# Altium PCB PCB1.PcbDoc (continued)
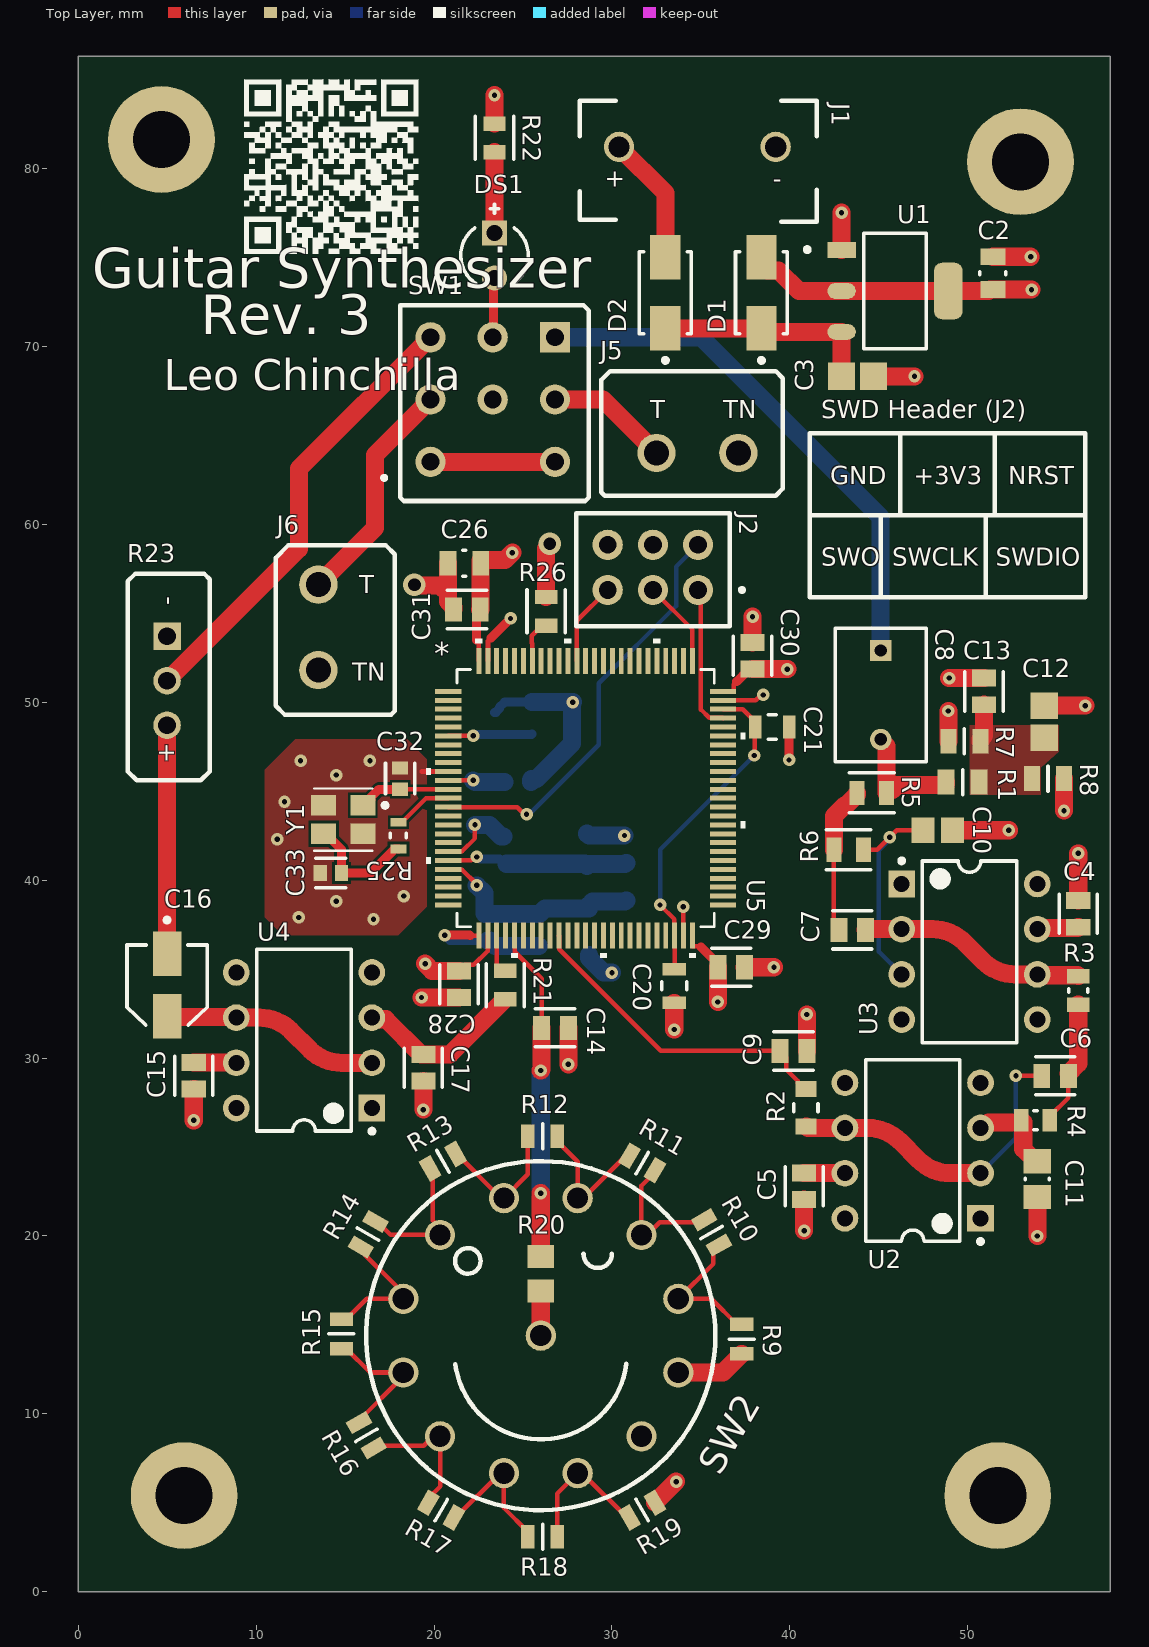
[diagram p0: Top Layer view]
## Components (designator, comment, footprint, x,y, rotation, side; value= is the part's Value field where it differs from the comment) (continued)
U1 "LDL1117S33R" FP-SOT223-0046067-IPC_C 45.9,73.1 r0 top
U2 "OPA340PA" P0008A 46.9,24.8 r180 top
U3 "OPA340PA" P0008A 50.09,35.97 r0 top
U4 "OPA340PA" P0008A 12.7,31 r180 top
U5 "STM32H723VET6" LQFP100_STM 28.522,44.6 r0 top locked
Y1 "25 MHz" ABM8W_MFG 14.9,43.4 r180 top

## Footprints (in the part's own frame and the unit in brackets; to place one, negate y for a bottom-side part, rotate by r counter-clockwise, add the part's x,y. Pads: shape width x height; smd on the part's side, far side on the other; paste and mask are expansions set on the pad)
ABM8W_MFG [mm] "Recommended Land Pattern"
  rect 1.4x1.15 smd: 1(-1.1,-0.8) 2(1.1,-0.8) 3(1.1,0.8) 4(-1.1,0.8)
  silkscreen extent -2.48,-1.75 1.65,1.75, body extent -1.9,-1.48 1.9,1.48, height 0.25
CAPC0805(2012)100_M [mm] "Chip Capacitor, Body 2.0x1.2mm, Height 1.0mm, IPC Low Density"
  rect 1.35x1.55 smd: 1(-1,0) 2(1,0)
  silkscreen extent -0.05,-0.67 0.05,0.67, body extent -1.1,-0.72 1.1,0.72, height 1
CAPC1608X92X38LL15T08 [mm] "Chip Capacitor, 2-Leads, Body 1.60x0.80mm, IPC High Density"
  rect 0.75x0.9 smd: 1(-0.625,0) 2(0.625,0)
  body extent -0.87,-0.48 0.87,0.48, height 0.92
CAPC2013X140X50ML20T25 [mm] "Chip Capacitor, 2-Leads, Body 2.00x1.25mm, IPC Low Density"
  rect 1.5x1.55 smd: 1(-0.9,0) 2(0.9,0)
  body extent -1.1,-0.72 1.1,0.72, height 1.4
CAPC2013X145X48NL20T23 [mm] "Chip Capacitor, 2-Leads, Body 2.00x1.25mm, IPC Medium Density"
  rect 1.3x1.45 smd: 1(-0.825,0) 2(0.825,0)
  body extent -1.1,-0.72 1.1,0.72, height 1.45
CAPC2013X145X50ML20T25 [mm] "Chip Capacitor, 2-Leads, Body 2.00x1.25mm, IPC Low Density"
  rect 1.5x1.55 smd: 1(-0.9,0) 2(0.9,0)
  body extent -1.1,-0.72 1.1,0.72, height 1.45
FP-AT0805-IPC_C [mm]
  rect 0.808x1.262 smd paste+0 mask+0: 1(-0.802,0) 2(0.802,0)
  silkscreen extent -1.21,-1.07 1.21,1.07, body extent -1.31,-0.77 1.31,0.77, height 0.25
FP-C0805C-DN-MFG [mm]
  rect 0.95x1.35 smd paste+0 mask+0: 1(-0.75,0) 2(0.75,0)
  silkscreen extent -1.1,-1.07 1.1,1.07, body extent -1.4,-0.85 1.4,0.85, height 0.25
FP-CBR06C-MFG [mm]
  rect 0.75x0.9 smd paste+0 mask+0: 1(-0.6,0) 2(0.6,0)
  silkscreen extent -0.85,-0.82 0.85,0.82, body extent -1.2,-0.6 1.2,0.6, height 0.25
FP-CC0805-0_85-MFG [mm]
  rect 0.95x1.4 smd paste+0 mask+0: 1(-0.925,0) 2(0.925,0)
  silkscreen extent -0.08,-0.72 0.08,0.72, body extent -1.6,-1.05 1.6,1.05, height 0.25
FP-CRCW0603-C-MFG [mm]
  rect 0.5x0.9 smd paste+0 mask+0: 1(-0.75,0) 2(0.75,0)
  silkscreen extent -0.13,-0.45 0.13,0.45, body extent -1.1,-0.55 1.1,0.55, height 0.25
FP-FKB-MFG [mm]
  rect 2.5x1.6 smd paste+0 mask+0: 1(-1.75,0) 2(1.75,0)
  silkscreen extent -3.77,-2.25 2.25,2.25, body extent -3.25,-2.5 3.25,2.5, height 0.25
FP-GRT21B-0_15-MFG [mm]
  rect 0.7x1.3 smd paste+0 mask+0: 1(-0.95,0) 2(0.95,0)
  silkscreen extent -0.23,-0.7 0.23,0.7, body extent -1.4,-0.8 1.4,0.8, height 0.25
FP-MCU0805-IPC_B [mm]
  rect 0.959x1.408 smd paste+0 mask+0: 1(-0.927,0) 2(0.927,0)
  silkscreen extent 0,-0.7 0,0.7, body extent -1.66,-0.95 1.66,0.95, height 0.25
FP-MCU0805-IPC_C [mm]
  rect 0.759x1.308 smd paste+0 mask+0: 1(-0.827,0) 2(0.827,0)
  silkscreen extent 0,-0.7 0,0.7, body extent -1.31,-0.8 1.31,0.8, height 0.25
FP-MCU0805-MFG [mm]
  rect 0.9x1.4 smd paste+0 mask+0: 1(-0.9,0) 2(0.9,0)
  silkscreen extent 0,-0.7 0,0.7, body extent -1.45,-0.8 1.45,0.8, height 0.25
FP-R82DC4100DQ60J-MFG [mm]
  rect 1.2x1.2 hole 0.7 paste-2539.97 mask+0: 1(-2.5,0)
  round 1.2 hole 0.7 paste-2539.97 mask+0: 2(2.5,0)
  silkscreen extent -3.75,-2.55 3.75,2.55, body extent -3.85,-2.65 3.85,2.65, height 0.25
FP-RN73R2A-IPC_C [mil]
  rect 33.67x53.39 smd paste+0 mask+0: 1(-32.5,0) 2(32.5,0)
  silkscreen extent -49,-44 49,44, body extent -53,-32 53,32, height 10
FP-RT0805-MFG [mm]
  rect 0.9x1.2 smd paste+0 mask+0: 1(-1.05,0) 2(1.05,0)
  silkscreen extent -0.23,-0.67 0.23,0.67, body extent -1.6,-0.77 1.6,0.77, height 0.25
FP-SMA-MFG [mm]
  rect 2.5x1.7 smd paste+0 mask+0: 1(-2,0) 2(2,0)
  silkscreen extent -3.92,-1.46 2.3,1.46, body extent -3.35,-1.56 3.35,1.56, height 0.25
FP-SOT223-0046067-IPC_C [mm]
  rect 1.604x0.88 smd paste+0 mask+0: 1(-3,2.3)
  rrect100% 1.604x0.88 smd paste+0 mask+0: 2(-3,0) 3(-3,-2.3)
  rrect55% 1.604x3.18 smd paste+0 mask+0: 4(3,0)
  silkscreen extent -5.05,-3.25 1.75,3.25, body extent -3.9,-3.35 3.9,3.35, height 0.25
INDPR60-254-520X380X650 [mm] "THD, 2-Leads, Dia 3.8mm, Pitch 2.54mm"
  rect 1.4x1.4 hole 0.9: 1(-1.27,0)
  round 1.4 hole 0.9: 2(1.27,0)
  silkscreen extent -2.87,-1.9 1.58,1.9, body extent -1.9,-1.9 1.9,1.9, height 6.5
LQFP100_STM [mil]
  rect 57.56x11 smd paste+0 mask+0: 1(-304,236.22) 2(-304,216.54) 3(-304,196.85) 4(-304,177.17) 5(-304,157.48) 6(-304,137.8) 7(-304,118.11) 8(-304,98.43) 9(-304,78.74) 10(-304,59.06) 11(-304,39.37) 12(-304,19.69) 13(-304,0) 14(-304,-19.68) 15(-304,-39.37) 16(-304,-59.06) 17(-304,-78.74) 18(-304,-98.43) 19(-304,-118.11) 20(-304,-137.8) 21(-304,-157.48) 22(-304,-177.17) 23(-304,-196.85) 24(-304,-216.54) 25(-304,-236.22) 51(304,-236.22) 52(304,-216.54) 53(304,-196.85) 54(304,-177.17) 55(304,-157.48) 56(304,-137.8) 57(304,-118.11) 58(304,-98.43) 59(304,-78.74) 60(304,-59.06) 61(304,-39.37) 62(304,-19.68) 63(304,0) 64(304,19.69) 65(304,39.37) 66(304,59.06) 67(304,78.74) 68(304,98.43) 69(304,118.11) 70(304,137.8) 71(304,157.48) 72(304,177.17) 73(304,196.85) 74(304,216.54) 75(304,236.22)
  rect 11x57.56 smd paste+0 mask+0: 26(-236.22,-304) 27(-216.54,-304) 28(-196.85,-304) 29(-177.17,-304) 30(-157.48,-304) 31(-137.8,-304) 32(-118.11,-304) 33(-98.43,-304) 34(-78.74,-304) 35(-59.06,-304) 36(-39.37,-304) 37(-19.68,-304) 38(0,-304) 39(19.68,-304) 40(39.37,-304) 41(59.06,-304) 42(78.74,-304) 43(98.43,-304) 44(118.11,-304) 45(137.8,-304) 46(157.48,-304) 47(177.17,-304) 48(196.85,-304) 49(216.54,-304) 50(236.22,-304) 76(236.22,304) 77(216.54,304) 78(196.85,304) 79(177.17,304) 80(157.48,304) 81(137.8,304) 82(118.11,304) 83(98.43,304) 84(78.74,304) 85(59.06,304) 86(39.37,304) 87(19.68,304) 88(0,304) 89(-19.68,304) 90(-39.37,304) 91(-59.06,304) 92(-78.74,304) 93(-98.43,304) 94(-118.11,304) 95(-137.8,304) 96(-157.48,304) 97(-177.17,304) 98(-196.85,304) 99(-216.54,304) 100(-236.22,304)
  silkscreen extent -353,-353 353,353, body extent -319,-319 319,319, height 63
P0008A [mm] "DIP, 8-Leads, Body 10.15x6.6mm, Pitch 2.54mm"
  rect 1.5x1.5 hole 0.9: 1(-3.81,3.81)
  round 1.5 hole 0.9: 2(-3.81,1.27) 3(-3.81,-1.27) 4(-3.81,-3.81) 5(3.81,-3.81) 6(3.81,-1.27) 7(3.81,1.27) 8(3.81,3.81)
  silkscreen extent -3.94,-5.1 2.65,5.23, body extent -3.95,-5.07 3.95,5.07, height 5.08
PCBComponent_1#1 [mm]
  round 1.7 hole 1: 0(0,5.08) 1(0,2.54) 2(0,0) 3(2.54,5.08) 4(2.54,2.54) 5(2.54,0)
  silkscreen extent -1.78,-1.78 4.57,6.86
PCBComponent_1#2 [mm]
  round 1.7 hole 1.19: 1(7.727,-2.071) 2(7.727,2.071) 3(5.657,5.657) 4(2.071,7.727) 5(-2.071,7.727) 6(-5.657,5.657) 7(-7.727,2.071) 8(-7.727,-2.071) 9(-5.657,-5.657) 10(-2.071,-7.727) 11(2.071,-7.727) 12(5.657,-5.657) 13(0,0)
  silkscreen extent -9.8,-9.81 9.81,9.81
RESC2013X55X40ML15T20 [mm] "Chip Resistor, 2-Leads, Body 2.00x1.25mm, IPC Low Density"
  rect 1.3x1.5 smd: 1(-0.975,0) 2(0.975,0)
  body extent -1.07,-0.7 1.08,0.7, height 0.55
RESC2013X60X35LL10T20 [mm] "Chip Resistor, 2-Leads, Body 2.00x1.25mm, IPC High Density"
  rect 0.8x1.25 smd: 1(-0.8,0) 2(0.8,0)
  silkscreen extent -0.1,-0.53 0.1,0.53, body extent -1.05,-0.67 1.05,0.67, height 0.6
WE-MPSB_0805_L2W1.2H0.9 [mm] "SMD EMI Multilayer Power Suppression Bead, body 2.00x1.20mm"
  rect 1.4x1 smd: 1(-1.3,0) 2(1.3,0)
  body extent -1,-0.6 1,0.6, height 0.9

## Part data
C2 C26: library part CMP-03422-000306-1, "CAP CER 4.7UF 25V X7R 0805", Capacitance="4.7 uF", Manufacturer=Yageo, Manufacturer Part Number=CC0805KKX7R8BB475, Package=CC0805-0.85, Temperature="-30°C to +85°C", Temperature Characteristic=X7R, Temperature Range High=+85°C, Temperature Range Low=-30°C, Tolerance=0.1, Voltage Rating="25 V", Automotive=No, Category=Cap, ComponentLink2Description=Datasheet, ComponentLink2URL=http://www.yageo.com/documents/recent/UPY-GPHC_Y5V_6.3V-to-50V_8.pdf, Device Class L1="Passive Components", Device Class L2=Capacitors, Device Class L3="Ceramic Capacitors", Digikey Description="CAP CER 4.7UF 25V X7R 0805", Footprint Url=http://www.yageo.com/exep/pages/download/literatures/UPY-C_GEN_24.pdf, Height=0.95mm, Ipc Land Pattern Name=CAPC200125X85, Lead Free=Yes, Material=Ceramic, Mouser Description="Multilayer Ceramic Capacitors MLCC - SMD/SMT 4.7M pF 10% 25 Volts", Octopart=https://octopart.com/cc0805kkx7r8bb475-yageo-51849247, RoHS=TRUE
C3 C18 C22 C24: library part CMP-2007-03233-1, Manufacturer=Kemet, Part Number=C0805C105K3RACAUTO
C4 C5 C13 C14 C15 C19 C23 C27 C28 C29 C30 C31 C34: library part CMP-03020-002348-1, "CAP CER 0.1UF 50V X7R 0805", Capacitance="0.10 μF", Manufacturer=KEMET, Manufacturer Part Number=C0805C104J5RACAUTO, Package=C0805C-DN, Temperature="-55°C to +125°C", Temperature Characteristic=X7R, Temperature Coefficient=30ppm/°C, Temperature Range High=+125°C, Temperature Range Low=-55°C, Tolerance=0.05, Voltage Rating="50 V", Automotive=No, Category=Cap, ComponentLink2Description=Datasheet, ComponentLink2URL=https://content.kemet.com/datasheets/KEM_C1003_C0G_SMD.pdf, Device Class L1="Passive Components", Device Class L2=Capacitors, Device Class L3="Ceramic Capacitors", Digikey Description="CAP CER 0.1UF 50V X7R 0805", Height=0.88mm, Ipc Land Pattern Name=CAPC200125X78, Lead Free=Yes, Material=Ceramic, Octopart=https://octopart.com/c0805c104j5racauto-kemet-22884343, RoHS=TRUE
C6: library part CMP-03020-021374-1, "C0805 3,300 pF C0G 30ppm/°C 1.00% 200 V", Capacitance="3,300 pF", Manufacturer=KEMET, Manufacturer Part Number=C0805C332F2GAC7210, Package=C0805C-DN, Temperature="-55°C to +125°C", Temperature Characteristic=C0G, Temperature Coefficient=30ppm/°C, Temperature Range High=+125°C, Temperature Range Low=-55°C, Tolerance=0.01, Voltage Rating="200 V", Automotive=No, Category=Cap, ComponentLink2Description=Datasheet, ComponentLink2URL=https://content.kemet.com/datasheets/KEM_C1003_C0G_SMD.pdf, Device Class L1="Passive Components", Device Class L2=Capacitors, Device Class L3="Ceramic Capacitors", Height=0.88mm, Ipc Land Pattern Name=CAPC200125X78, Lead Free=Yes, Material=Ceramic, Mouser Description="Multilayer Ceramic Capacitors MLCC - SMD/SMT 200volts 3.3nF 1% C0G", Octopart=https://octopart.com/c0805c332f2gac7210-kemet-105787563, RoHS=TRUE
C7: library part CMP-03020-006751-1, "C0805 1,500 pF C0G 30ppm/°C 1.00% 200 V", Capacitance="1,500 pF", Manufacturer=KEMET, Manufacturer Part Number=C0805C152F2GACAUTO, Package=C0805C-DN, Temperature="-55°C to +125°C", Temperature Characteristic=C0G, Temperature Coefficient=30ppm/°C, Temperature Range High=+125°C, Temperature Range Low=-55°C, Tolerance=0.01, Voltage Rating="200 V", Automotive=No, Category=Cap, ComponentLink2Description=Datasheet, ComponentLink2URL=https://content.kemet.com/datasheets/KEM_C1003_C0G_SMD.pdf, Device Class L1="Passive Components", Device Class L2=Capacitors, Device Class L3="Ceramic Capacitors", Height=0.88mm, Ipc Land Pattern Name=CAPC200125X78, Lead Free=Yes, Material=Ceramic, Mouser Description="Multilayer Ceramic Capacitors MLCC - SMD/SMT 200volts 1.5nF 1% C0G AUTO", Octopart=https://octopart.com/c0805c152f2gacauto-kemet-105787389, RoHS=TRUE
C8: library part CMP-03022-000017-1, "CAP FILM 1UF 5% 63VDC RADIAL", Case/Package=Radial, Dielectric=PET, Insulation Resistance=30R, Max Operating Temperature=105°C, Min Operating Temperature=-55°C, Package Quantity=1700, Tolerance=5%, Voltage=63V, Voltage Rating (AC)=40V, Capacitance=1uF, Construction=RADIAL, Contact Plating=Tin, Depth=5mm, Dielectric Material=PET, Dissipation Factor=80%, Height - Seated (Max)=0.398inch, Lead Diameter=0.5mm, Lead Pitch=5mm, Length=7.2mm, Life (Hours)=2000Hour, Mount="Through Hole", Packaging="Tape and Reel", Radiation Hardening=No, REACH SVHC="No SVHC", RoHS Compliant=Yes, Series=R82, Termination=Radial, Type="General Purpose", Voltage Rating=63V, Voltage Rating (DC)=63V, Width=5mm
C9: library part CMP-03020-034240-1, "C0805 1,000 pF C0G 30ppm/°C 1.00% 25 V", Capacitance="1,000 pF", Manufacturer=KEMET, Manufacturer Part Number=C0805C102F3GACAUTO, Package=C0805C-DN, Temperature="-55°C to +125°C", Temperature Characteristic=C0G, Temperature Coefficient=30ppm/°C, Temperature Range High=+125°C, Temperature Range Low=-55°C, Tolerance=0.01, Voltage Rating="25 V", Automotive=No, Category=Cap, ComponentLink2Description=Datasheet, ComponentLink2URL=https://content.kemet.com/datasheets/KEM_C1003_C0G_SMD.pdf, Device Class L1="Passive Components", Device Class L2=Capacitors, Device Class L3="Ceramic Capacitors", Height=0.88mm, Ipc Land Pattern Name=CAPC200125X78, Lead Free=Yes, Material=Ceramic, Octopart=https://octopart.com/c0805c102f3gacauto-kemet-91893954, RoHS=TRUE
C10: library part CMP-2007-02333-1, Manufacturer=Vishay, Part Number=VJ0805A122FFAAC
C11: library part CMP-1036-02655-1, "CAP 470pF 25V ±1% 0805 (2012 Metric) Thickness 1mm SMD", Case-EIA=0805, Case-Metric=2012, Rated Voltage="25 V", Tolerance=Â±1%, Max Thickness="1 mm", Technology=SMT
C12: library part CMP-2007-01018-1, Manufacturer=Kemet, Part Number=C0805C106M4PACTU
C16: library part CMP-05427-000055-1, "CAP ALUM 10UF 20% 25V SMD", Case/Package=Radial, Dielectric Material=Aluminium, ESR (Equivalent Series Resistance)=1.35R, Leakage Current=3uA, Max Operating Temperature=105°C, Min Operating Temperature=-55°C, Package Quantity=1, Ripple Current=90mA, Tolerance=20%, Voltage=25V, Capacitance=10uF, Construction=Cylindrical, Contact Plating=Tin, Diameter=4mm, Height=5.8mm, Height - Seated (Max)=0.24inch, Impedance=1.35R, Lead Free="Lead Free", Length=5.8mm, Life (Hours)=2000Hour, Mount="Surface Mount", Number of Pins=2, Packaging="Tape and Reel", Polarity=Polar, Radiation Hardening=No, REACH SVHC="No SVHC", Ripple Current (AC)=90mA, RoHS Compliant=Yes, Series=FK, Termination=SMD/SMT, Voltage Rating=25V, Voltage Rating (DC)=25V, Width=5.5mm
C17: library part CMP-1036-03704-3, "CAP CER 6800PF 50V NP0 0805", Capacitance="6,800 pF", Manufacturer=KEMET, Manufacturer Part Number=C0805C682G5GACTU, Package=C0805C-DN, Temperature="-55°C to +125°C", Temperature Characteristic=C0G, Temperature Coefficient=30ppm/°C, Temperature Range High=+125°C, Temperature Range Low=-55°C, Tolerance=0.02, Voltage Rating="50 V", Automotive=No, Category=Cap, ComponentLink2Description=Datasheet, ComponentLink2URL=https://content.kemet.com/datasheets/KEM_C1003_C0G_SMD.pdf, Device Class L1="Passive Components", Device Class L2=Capacitors, Device Class L3="Ceramic Capacitors", Digikey Description="CAP CER 6800PF 50V NP0 0805", Height=0.88mm, Ipc Land Pattern Name=CAPC200125X78, Lead Free=Yes, Material=Ceramic, Mouser Description="Multilayer Ceramic Capacitors MLCC - SMD/SMT 50volts 6800pF 2% C0G", Octopart=https://octopart.com/c0805c682g5gactu-kemet-19016975, RoHS=TRUE
C20 C21: library part CMP-06035-008139-1, "Cap Ceramic 2.2uF 25V X7R ±10% SMD 0805 +125°C Emboss T/R"
C25: library part CMP-2006-00951-1, Manufacturer=Vishay, Part Number=VJ0603Y104KXJAR
C32 C33: library part CMP-03020-000447-1, "CAP CER 8PF 100V NP0 0603", Capacitance="8.0 pF", Manufacturer=KEMET, Manufacturer Part Number=CBR06C809B1GAC, Package=CBR06C, Temperature="-55°C to +125°C", Temperature Characteristic=C0G, Temperature Coefficient=30ppm/°C, Temperature Range High=+125°C, Temperature Range Low=-55°C, Tolerance="0.1 pF", Voltage Rating="100 V", Automotive=No, Category=Cap, ComponentLink2Description=Datasheet, ComponentLink2URL=https://content.kemet.com/datasheets/KEM_C1030_CBR_SMD.pdf, Device Class L1="Passive Components", Device Class L2=Capacitors, Device Class L3="Ceramic Capacitors", Digikey Description="CAP CER 8PF 100V NP0 0603", Height=0.87mm, Ipc Land Pattern Name=CAPC16080X80, Lead Free=Yes, Material=Ceramic, Octopart=https://octopart.com/cbr06c809b1gac-kemet-23801742, RoHS=TRUE
D1 D2: library part CMP-2000-05885-2, "DIODE SCHOTTKY 60V 1A SMA", Average Rectified Current=1A, Capacitance=110pF, Case/Package=SMA, Forward Voltage=700mV, Max Forward Surge Current (Ifsm)=30A, Max Operating Temperature=150°C, Max Repetitive Reverse Voltage (Vrrm)=60V, Min Operating Temperature=-65°C, Package Quantity=5000, Peak Reverse Current=500uA, Contact Plating=Tin, Current Rating=1A, Element Configuration=Single, Forward Current=1A, Height=2.1mm, Lead Free="Lead Free", Length=4.6mm, Max Reverse Voltage (DC)=60V, Mount="Surface Mount", Number of Pins=2, Output Current=1A, Packaging="Tape and Reel", Peak Non-Repetitive Surge Current=30A, Polarity=Standard, Radiation Hardening=No, REACH SVHC="No SVHC", Termination=SMD/SMT, Voltage Rating (DC)=60V, Weight=0.002258oz, Width=2.92mm
DS1: library part CMP-1674-00005-1, "Radial LED, 12.6 mcd, 20 mA, 2 V, -55 to 100 degC, 2-Pin THD, RoHS, Bulk", Case\Package=Radial, Current Rating="3.6 A", Max Operating Temperature="130 degC", Min Operating Temperature="-40 degC", Package Quantity=55, Resistance="0.045 Ohm", Tolerance=20%, ComponentLink1Description="Manufacturer URL", ComponentLink1URL=http://www.us.liteon.com/, ComponentLink2Description=Datasheet, ComponentLink2URL=https://datasheet.ciiva.com/15117/getdatasheetpartid-187746-15117985.pdf, DatasheetVersion=Dec-03, Height="1.1 inch", Lead Pitch="11.44 mm", Length="0.97 inch", Mount="Through Hole", PackageDescription="2-Pin Through Hole Device, Dia 3.8 mm, Pitch 2.54 mm", PackageReference=LTL-1CHE, Packaging=Tray, Radiation Hardening=No, RoHSCompliant=true, Shielding=Unshielded, Width="0.62 inch"
FB1: library part CMP-03913-52738340-1, "74279220601 Ferrite Beads Multi-Layer High Current 600Ohm 25% 100MHz 2.1A 0.08Ohm DCR 0805 Automotive T/R", Case Code (Imperial)=0805, Case Code (Metric)=2012, Current Rating=2.1A, DC Resistance (DCR)=43mΩ, Max Operating Temperature=125°C, Min Operating Temperature=-55°C, Test Frequency=100MHz, Tolerance=25%, Case/Package=0805, Height=900µm, Impedance=600Ω, Length=2mm, Max Current Rating=2.1A, Max DC Current=2.1A, Mount="Surface Mount", NexarPartId=52738340, Number of Lines=1, Packaging="Tape & Reel (TR)", REACH SVHC=Unknown, RoHS=Compliant, Termination=SMD/SMT, Weight=5.499807mg, Width=1.2mm
R1: library part CMP-02407-001361-1, "RES 1.05K OHM 0.5% 1/5W 0805", Case/Package=0805, Resistance=1MR, Tolerance=0.1%, Height=450um, Lead Free="Lead Free", Length=2mm, Width=1.25mm
R2: library part CMP-2001-01623-2, "RES SMD 100 OHM 0.1% 1/8W 0805", Manufacturer=Yageo, Manufacturer Part Number=RT0805BRB07100RL, Package=RT0805, Power Rating=0.125W, Temperature="-55°C to +155°C", Temperature Coefficient="10 ppm/°C", Temperature Range High=+155°C, Temperature Range Low=-55°C, Tolerance=0.0025, Voltage Rating=150V, Automotive=No, Category=Res, ComponentLink2Description=Datasheet, ComponentLink2URL=http://www.yageo.com/documents/recent/PYu-RT_1-to-0.01_RoHS_L_9.pdf, Composition="Thin Film", Device Class L1="Passive Components", Device Class L2=Resistors, Device Class L3="Chip SMD Resistors", Digikey Description="RES SMD 100 OHM 0.1% 1/8W 0805", Footprint Url=http://www.yageo.com/exep/pages/download/literatures/PYu-R_Mount_10.pdf, Height=0.6mm, Ipc Land Pattern Name=RESC200125X50, Lead Free=Yes, Mouser Description="Thin Film Resistors - SMD 1/8W 100 ohm .1% 10ppm", Octopart=https://octopart.com/rt0805brb07100rl-yageo-20648687, Resistance=100Ω, RoHS=TRUE, Series=RT
R3 R4: library part CMP-2001-04575-1, Manufacturer=Yageo, Part Number=RC0805FR-0710K7L
R5 R6: library part CMP-04015-018905-1, "9.88kΩ ±0.05% 0.125W, 1/8W Chip Resistor 0805 (2012 Metric) Moisture Resistant Thin Film"
R7 R8: library part CMP-02407-000302-1, "RES 1.05K OHM 0.5% 1/5W 0805", Case/Package=0805, Max Operating Temperature=125°C, Min Operating Temperature=-55°C, Resistance=100kR, Temperature Coefficient=15ppm/°C, Tolerance=0.1%, Composition="Thin Film", Contact Plating=Tin, Depth=1.25mm, Lead Free="Lead Free", Length=2mm, Military Standard=Not, Packaging="Tape and Reel", Radiation Hardening=No, Width=1.25mm
R9 R10 R11 R12 R13 R14 R15 R16 R17 R18 R19: library part CMP-02407-010343-1, "RES 1.05K OHM 0.5% 1/5W 0805", Case/Package=0805, Max Operating Temperature=125°C, Max Power Dissipation=125mW, Min Operating Temperature=-55°C, Package Quantity=1000, Resistance=10kR, Temperature Coefficient=10ppm/°C, Tolerance=0.1%, Composition="Thin Film", Depth=1.25mm, Height=0.022inch, Lead Free="Lead Free", Length=0.079inch, Military Standard=Not, Number of Terminations=2, Packaging="Tape and Reel", Width=0.049inch
R20: library part CMP-2001-04687-1, Manufacturer="Vishay Dale", Part Number=TNPW08051K00BETA
R21 R22: library part CMP-03412-050024-1, "Thin Film Chip Resistors Automotive Grade 1kΩ 0.1% 50ppm/°C 0805"
R24: library part CMP-03412-016342-1, "RES SMD 47 OHM 0.1% 1/8W 0805", Manufacturer=Yageo, Manufacturer Part Number=RT0805BRD0747RL, Package=RT0805, Power Rating=0.125W, Temperature="-55°C to +155°C", Temperature Coefficient="25 ppm/°C", Temperature Range High=+155°C, Temperature Range Low=-55°C, Tolerance=0.0025, Voltage Rating=150V, Automotive=No, Category=Res, ComponentLink2Description=Datasheet, ComponentLink2URL=http://www.yageo.com/documents/recent/PYu-RT_1-to-0.01_RoHS_L_9.pdf, Composition="Thin Film", Device Class L1="Passive Components", Device Class L2=Resistors, Device Class L3="Chip SMD Resistors", Digikey Description="RES SMD 47 OHM 0.1% 1/8W 0805", Footprint Url=http://www.yageo.com/exep/pages/download/literatures/PYu-R_Mount_10.pdf, Height=0.6mm, Ipc Land Pattern Name=RESC200125X50, Lead Free=Yes, Mouser Description="Res SMD 47 Ohm .1% 0805", Octopart=https://octopart.com/rt0805brd0747rl-yageo-1422505, Resistance=47Ω, RoHS=TRUE, Series=RT
R25: library part CMP-02407-011552-1, "RES 0 OHM JUMPER 1/10W 0603", Case Code (Imperial)=0603, Case Code (Metric)=1608, Max Operating Temperature=155°C, Max Power Dissipation=100mW, Min Operating Temperature=-55°C, Resistance=0mR, Resistor Type="Thick Film", Case/Package=0603, Number of Terminations=2, Packaging="Cut Tape", RoHS Compliant=Yes
R26: library part CMP-03412-048709-1, "Thin Film Chip Resistors Automotive Grade 10kΩ 0.1% 50ppm/°C 0805"
SW2: "Rotary Switch 12 Position SP12T 350mA (AC) 125 VAC Panel Mount, Through Hole"
U1: library part CMP-12153-000006-1, "IC REG LINEAR 3.3V 1.2A SOT223", Dropout Voltage=350mV, Manufacturer=STMicroelectronics, Max Junction Temp=+125°C, Max Supply Voltage=18V, Min Supply Voltage=2.6V, Nominal Supply Current=250uA, Output Current=2A, Output Voltage=3.3V, Package=SOT223-0046067, Temperature="-40°C to +125°C", Temperature Range Low=-40°C, Accuracy Percentage=2%, Automotive=No, Category=IC, ComponentLink2Description=Datasheet, ComponentLink2URL=https://www.st.com/resource/en/datasheet/ldl1117.pdf, Device Class L1="Integrated Circuits (ICs)", Device Class L2="Power Management ICs", Device Class L3="Voltage Regulators - Linear", Digikey Description="IC REG LINEAR 3.3V 1.2A SOT223", Height=1.9mm, Ipc Land Pattern Name=SOT230P700X190-4, Lead Free=Yes, Manufacturer Part Number=LDL1117S33R, Mouser Description="LDL1117 Series 1.2 A 3.3 V High PSRR LDO Linear Voltage Regulator-SOT-223", Number of Outputs=1, Octopart=https://octopart.com/ldl1117s33r-stmicroelectronics-81876163, Output Type=Fixed, RoHS=TRUE, Standoff Height=0.02mm, Temperature Range High=+125°C
U2 U3 U4: library part CMP-0271-00395-3, "Single-Supply, Rail-to-Rail Operational Amplifier MicroAmplifier(TM) Series, 2.7 to 5.5 V, -40 to 85 degC, 8-pin DIP (P8), Green (RoHS & no Sb/Br)", Manufacturer="Texas Instruments", Total Supply Voltage(Max)(+5V is 5, +/-5V is 10)=5.5, Total Supply Voltage(Min)(+5V is 5, +/-5V is 10)=2.7, CMRR(Min)(dB)=80, Code_JEDEC=MS-001, ComponentLink1Description="Manufacturer URL", ComponentLink1URL=http://www.ti.com/, ComponentLink2Description=Datasheet, ComponentLink2URL=http://www.ti.com/general/docs/lit/getliterature.tsp?genericPartNumber=OPA340&fileType=pdf, ComponentLink3Description="Package Specification", ComponentLink3URL=http://www.ti.com/litv/pdf/mpdi001b, DatasheetVersion=SBOS073B, Eco-Plan="Green (RoHS & no Sb/Br)", IIB(Max)(pA)=10, Iq per channel(Max)(mA)=0.95, Mounting Technology="Through Hole", Number of Channels=1, Offset Drift(Typ)(uV/C)=2.5, PackageDescription="8-Pin Plastic In-Line, Body 9.59 x 6.35 mm, Pitch 2.54 mm", PackageReference=P0008A, PackageVersion="4040082/E, 04/2010", PartNumber=OPA340PA, Slew Rate(Typ)(V/us)=6, Sub Family="Low Input Bias Current Amp (<=10pA), Low Offset Voltage Amplifier (<=500uV), Low Supply Voltage Amplifier (<=2.7V), Precision Amplifier", Vio (25C)(Max)(mV)=0.5, Vn at 1kHz(Typ)(nV/rtHz)=25
U5: "High-performance and DSP with DP-FPU, Arm Cortex-M7 MCU with 512 Kbytes Flash, 564 Kbytes RAM, 550 MHz CPU, L1 cache, external memory interface, subset of peripherals", Manufacturer_Name=STMicroelectronics, Copyright="Copyright (C) 2026 Ultra Librarian. All rights reserved.", Manufacturer_Part_Number=STM32H723VET6, RefDes=RefDes, Type=Type
Y1: library part CMP-00005-81936285-1, "Crystal 25.0000Mhz 8Pf Smd Rohs Compliant: Yes", ComponentLink2Description="Datasheet URL", ComponentLink2URL=https://abracon.com/datasheets/ABM8W.pdf, HelpURL=https://abracon.com/datasheets/ABM8W.pdf, RoHS=Compliant, Schedule B=8541600080

## Free pads (board coordinates)
  rect 1.55x1.55 hole 1 paste-2539.97 mask+0: 1(5,53.7)
  rect 1.7x1.7 hole 1 paste-2539.97 mask+0: 1(26.8,70.5)
  round 6 hole 3.2: 2(4.69,81.61) 2(5.96,5.41) 2(51.68,5.41) 2(52.95,80.36)
  round 1.55 hole 1 paste-2539.97 mask+0: 2(5,51.2) 3(5,48.7)
  round 1.7 hole 1 paste-2539.97 mask+0: 2(26.8,67) 3(26.8,63.5) 4(23.3,70.5) 5(23.3,67) 7(19.8,70.5) 8(19.8,67) 9(19.8,63.5)
  round 2.15 hole 1.4 paste-2539.97 mask+0: 10(13.5,56.6) T(32.5,64) TN(13.5,51.8) TN(37.1,64)
  round 1.7 hole 1.19: 11(30.4,81.2) 11(39.2,81.2)

## Via types
v1: diameter 0.7, hole 0.3, Top Layer to Bottom Layer, 55 vias
v2: diameter 1.27, hole 0.711, Top Layer to Bottom Layer, 2 vias

## Nets (pads, with @x,y where several pads share a name; then routed paths per layer and width w, separated by ;. In a path a pad name is that pad's centre, name@x,y a point inside that pad or via, vN(x,y) a via of type N, cw(c..) or ccw(c..) an arc to the next point about the centre after c; other vN are vias at no path point)
+1V65: C12.2 C13.1 R1.2 R7.2 R8.1 | length 2.1
  Top Layer w1.016: R7.2 50.7,47.934 50.9,48.134 C13.1
+3V3: C2.1 C4.1 C5.1 C15.1 C24.2 C25.2 C26.1 C27.1 C28.1 C29.1 C30.1 C31.1 D1.2 FB1.1 J2.1 R7.1 R9.1 R22.1 SW2.1 U1.2 U1.4 U2.7 U3.7 U4.7 U5.6 U5.11 U5.27 U5.50 U5.75 U5.100 | length 62
  Top Layer w0.254: U5.11 v1(22.2,45.6) ; U5.6 v1(22.2,48.1) ; C28.1 21.74,35.24 22.24,35.24 23.009,36.009 23.009,36.866 U5.27 ; 22.4,53.5 22.509,53.391 22.509,52.334 U5.100 ; U5.50 34.522,36.287 34.534,36.274 34.976,36.274 35,36.25 ; U5.75 36.834,50.6 36.847,50.613 36.847,50.997 37,51.15
  Top Layer w0.508: 22.4,53.5 22.4,55 C31.1 ; 35,36.25 35.95,35.3 C29.1 ; 37,51.15 37.7,51.85 C30.1
  Top Layer w1.016: C15.1 6.51,29.74 8.88,29.74 U4.7 ; v1(19.5,35.3) 19.9,34.9 C28.1 ; C31.1 22.612,55.213 22.612,57.788 C26.1 22.625,57.959 22.658,57.992 23.992,57.992 v1(24.4,58.4) ; R22.1 v1(23.4,84.1) ; SW2.1 36.238,12.329 37.283,13.373 R9.1 ; v1(35.95,33.15) C29.1 ; C30.1 v1(39.85,51.85) ; D1.2 38.4,74.6 38.742,74.258 39.342,74.258 40.5,73.1 U1.4 51.166,73.1 51.241,73.175 C2.1 v1(53.575,73.175) ; C5.1 40.81,23.54 43.08,23.54 U2.7 ; R7.1 v1(48.9,49.5) ; U3.7 53.977,37.317 56.167,37.317 C4.1
  Bottom Layer w0.508: v1(22.2,48.1) 22.252,48.1 22.327,48.175 C25.2 23.412,48.188 25.487,48.188 C24.2
  Bottom Layer w1.016: v1(22.2,45.6) 22.3,45.5 C27.1 ; FB1.1 28.7,35.616 29.516,34.8 v1(30,34.8)
+9V: D2.2 pad.11@30.4,81.2 | length 7.3
  Top Layer w1.016: pad.11@30.4,81.2 33,78.6 D2.2
+9V_PROT: C3.2 D1.1 D2.1 U1.3 | length 12.5
  Top Layer w1.016: D2.1 D1.1 38.6,70.8 U1.3 C3.2
AUDIO_IN: pad.2@26.8,67 pad.T | length 6.9
  Top Layer w1.016: pad.2@26.8,67 29.5,67 pad.T
AUDIO_OUT: pad.8 pad.10 | length 13
  Top Layer w1.016: pad.10 16.693,59.793 16.693,63.893 pad.8
GND: C2.2 C3.1 C4.2 C5.2 C9.2 C10.1 C11.1 C12.1 C13.2 C14.2 C15.2 C17.2 C18.1 C19.2 C20.2 C21.2 C22.1 C23.2 C24.1 C25.1 C26.2 C27.2 C28.2 C29.2 C30.2 C31.2 C32.2 C33.2 C34.2 J2.2 pad.1@5,53.7 pad.2@4.69,81.61 pad.5 pad.11@39.2,81.2 pad.TN R8.2 R19.2 R26.2 SW2.12 U1.1 U2.4 U3.4 U4.4 U5.10 U5.19 U5.26 U5.49 U5.74 U5.99 Y1.2 Y1.4 | length 80.5
  Top Layer w0.254: 19.3,46.1 U5.10 ; U5.19 20.813,41.613 21.575,41.613 22.3,42.338 v1(22.3,43.1) ; 22.022,36.878 U5.26 ; U5.99 23.034,52.334 23.034,53.434 23.2,53.6 ; v1(34,38.5) 34.011,38.489 34.011,36.889 U5.49 ; U5.74 38.079,50.1 38.379,50.4 v1(38.5,50.4)
  Top Layer w0.508: v1(20.6,36.9) 22,36.9 22.022,36.878 ; 23.2,53.6 v1(24.3,54.7) ; v1(39.95,46.75) C21.2
  Top Layer w1.016: v1(6.5,26.5) C15.2 ; v2(18.9,56.6) 18.949,56.551 20.346,56.551 20.549,56.349 20.775,56.575 C26.2 ; v1(19.3,33.4) C28.2 ; v1(19.4,27.1) C17.2 ; 20.775,56.349 20.775,55.659 21.1,55.334 C31.2 ; R26.2 26.3,58.631 26.5,58.831 v2(26.5,58.9) ; v1(27.55,29.65) C14.2 ; R19.2 v1(33.603,6.2) ; v1(33.5,31.6) C20.2 ; C29.2 v1(39.1,35.1) ; C30.2 v1(37.9,54.8) ; v1(40.8,20.3) C5.2 ; C9.2 v1(40.95,32.45) ; U1.1 v1(42.9,77.5) ; C3.1 v1(47,68.3) ; v1(48.95,51.35) C13.2 ; C10.1 v1(52.3,42.8) ; C2.2 v1(53.525,75.025) ; v1(53.9,20) C11.1 ; C12.1 v1(56.6,49.8) ; v1(55.4,43.9) R8.2 ; C4.2 v1(56.2,41.5)
  Bottom Layer w0.508: v1(20.6,36.9) 20.9,36.6 C19.2 ; C25.1 23.475,49.425 23.677,49.627 23.677,49.702 23.975,50 C24.1
  Bottom Layer w1.016: v1(22.3,43.1) 23.116,43.1 23.766,42.45 C23.2 ; C19.2 23.134,36.6 23.434,36.3 C18.1 ; C27.2 25.45,45.634 25.483,45.667 25.751,45.667 27.75,47.666 C34.2 27.75,49.95 v1(27.8,50) C24.1 ; C22.1 28.7,42.5 v1(30.7,42.5)
  other v1: 16.6,37.8 12.4,37.9 14.5,38.8 18.3,39.1 11.2,42.3 11.6,44.4 14.5,45.9 12.5,46.7 16.4,46.7
NetC6_1: C6.1 R2.1 U2.2 U2.6 | length 18.4
  Top Layer w0.254: v1(52.7,29) C6.1
  Top Layer w1.016: R2.1 40.934,26.15 41.014,26.07 U2.6 44.378,26.07 cw(c44.378,23.53) 46.174,25.326 47.226,24.274 ccw(c49.022,26.07) 49.022,23.53 U2.2
  Bottom Layer w0.254: U2.2 52.7,25.52 v1(52.7,29)
NetC6_2: C6.2 R3.2 R4.1 | length 7
  Top Layer w0.254: R4.1 54.6,26.725 55.65,27.775 C6.2
  Top Layer w1.016: C6.2@55.65,29.134 56.2,29.684 R3.2
NetC7_1: C7.1 R5.2 R6.1 | length 8.4
  Top Layer w0.254: R6.1 42.475,37.475 C7.1
  Top Layer w1.016: R6.1 42.475,43.6 43.07,44.195 43.159,44.195 43.775,44.81 R5.2
NetC7_2: C7.2 R3.1 U3.2 U3.6 | length 12.8
  Top Layer w1.016: C7.2 44.25,37.207 44.283,37.24 U3.2 48.008,37.24 cw(c48.008,34.7) 49.804,36.496 50.856,35.444 ccw(c52.652,37.24) 52.652,34.7 U3.6 53.95,34.65 56.15,34.65 R3.1
NetC8_1: C8.1 pad.1@26.8,70.5 | length 30
  Bottom Layer w1.016: pad.1@26.8,70.5 35,70.5 45.1,60.4 C8.1
NetC8_2: C8.2 R1.1 R5.1 | length 6.9
  Top Layer w1.016: C8.2 45.1,47.85 45.425,47.525 45.425,45.333 R5.1 45.425,44.99 45.506,45.07 45.758,45.07 46.021,45.333 48.745,45.333 48.773,45.361 R1.1
NetC9_1: C9.1 R2.2 U5.35 | length 18.4
  Top Layer w0.254: U5.35 27.034,36.866 27.034,36.103 32.738,30.4 C9.1 39.798,30.052 39.798,29.352 40.427,28.723 40.427,28.573 40.75,28.25 R2.2
NetC10_2: C10.2 R6.2 U3.3 | length 12.3
  Top Layer w0.254: R6.2 44.9,41.7 v1(45.6,42.4) 46,42.8 C10.2
  Bottom Layer w0.254: v1(45.6,42.4) 45.6,42.279 45,41.679 45,35.98 U3.3
NetC11_2: C11.2 R4.2 U2.3 | length 5.2
  Top Layer w1.016: U2.3 50.841,26.07 51.154,26.383 52.892,26.383 53,26.491 R4.2 53.108,26.392 53.108,24.892 53.8,24.2 C11.2
NetC14_1: C14.1 R20.2 U5.30 | length 18.7
  Top Layer w0.254: U5.30 24.534,36.866 24.534,35.966 26.05,34.45 C14.1
  Top Layer w1.016: R20.2 v1(26,22.4) ; v1(26,29.3) 26.05,29.35 C14.1
  Bottom Layer w1.016: v1(26,22.4) v1(26,29.3)
NetC16_1: C16.1 pad.3@5,48.7 | length 12.8
  Top Layer w1.016: C16.1 pad.3@5,48.7
NetC16_2: C16.2 U4.2 U4.6 | length 12.4
  Top Layer w1.016: C16.2 5.04,32.31 8.85,32.31 U4.6 10.178,32.27 cw(c10.178,29.73) 11.974,31.526 13.026,30.474 ccw(c14.822,32.27) 14.822,29.73 U4.2
NetC17_1: C17.1 R21.2 U4.3 | length 9.5
  Top Layer w1.016: U4.3 16.603,32.177 17.289,32.177 19.266,30.2 20.883,30.2 R21.2@23.877,33.194
NetC33_1: C33.1 R25.1 Y1.3 | length 6.4
  Top Layer w0.508: Y1.3 13.925,42.6 14.8,41.725 C33.1 16.458,40.4 17.808,41.75 R25.1
NetDS1_1: DS1.1 R22.2 | length 4.5
  Top Layer w1.016: DS1.1 R22.2
NetDS1_2: DS1.2 pad.4 | length 3.4
  Top Layer w0.508: pad.4 23.35,70.55 23.35,73.78 DS1.2
NetR9_2: R9.2 R10.1 SW2.2 | length 8.1
  Top Layer w0.254: R10.1 35.703,19.174 35.703,18.447 SW2.2 35.581,16.471 37.025,15.027 R9.2
NetR10_2: R10.2 R11.1 SW2.3 | length 7.8
  Top Layer w0.254: R11.1 32.416,23.586 31.657,22.827 SW2.3 31.955,20.057 32.676,20.779 35.049,20.779 R10.2
NetR11_2: R11.2 R12.1 SW2.4 | length 7.8
  Top Layer w0.254: R12.1 26.927,25.325 28.071,24.181 SW2.4 28.393,22.127 30.78,24.513 R11.2
NetR12_2: R12.2 R13.1 SW2.5 | length 7.8
  Top Layer w0.254: R13.1 21.279,24.613 23.765,22.127 SW2.5 25.273,23.471 R12.2
NetR13_2: R13.2 R14.1 SW2.6 | length 7.9
  Top Layer w0.254: R14.1 16.814,20.816 17.573,20.057 SW2.6 20.343,20.448 19.921,20.87 19.921,23.649 R13.2
NetR14_2: R14.2 R15.1 SW2.7 | length 7.8
  Top Layer w0.254: R15.1 15.075,15.327 16.219,16.471 SW2.7 18.273,16.793 15.887,19.18 R14.2
NetR15_2: R15.2 R16.1 SW2.8 | length 7.9
  Top Layer w0.254: R15.2 15.075,13.673 16.419,12.329 SW2.8 18.273,12.115 15.787,9.629 R16.1
NetR16_2: R16.2 R17.1 SW2.9 | length 8
  Top Layer w0.254: R16.2 16.751,8.221 19.43,8.221 19.952,8.743 SW2.9 20.343,5.926 19.684,5.267 R17.1
NetR17_2: R17.2 R18.1 SW2.10 | length 8
  Top Layer w0.254: R17.2 21.229,4.187 23.715,6.673 SW2.10 23.929,4.719 25.273,3.375 R18.1
NetR18_2: R18.2 R19.1 SW2.11 | length 8
  Top Layer w0.254: R18.2 26.927,5.529 SW2.11 28.335,6.673 30.821,4.187 R19.1
NetR20_1: R20.1 SW2.13 | length 2.5
  Top Layer w1.016: SW2.13 R20.1
NetR21_1: R21.1 U5.28 | length 2.3
  Top Layer w0.254: U5.28 23.522,35.179 23.799,34.902 R21.1
NetR26_1: R26.1 U5.94 | length 2.4
  Top Layer w0.254: U5.94 25.522,52.913 25.509,52.926 25.509,53.298 25.5,53.307 25.5,53.725 26.073,54.298 R26.1
NetSW1_3: pad.3@26.8,63.5 pad.9 | length 7
  Top Layer w1.016: pad.9 pad.3@26.8,63.5
NRST: C34.1 J2.0 U5.14 | length 23.8
  Top Layer w0.254: U5.14 24.679,44.1 25.079,43.7 v1(25.2,43.7)
  Bottom Layer w0.254: v1(25.2,43.7) 25.285,43.785 25.435,43.785 29.25,47.6 C34.1 29.25,51.05 33.6,55.4 33.6,57.6 J2.0
PH0-OSC_IN: C32.1 U5.12 Y1.1 | length 5.2
  Top Layer w0.254: C32.1 U5.12
  Top Layer w0.508: Y1.1 16.125,44.2 16.446,44.521 16.446,44.646 16.9,45.1 C32.1
PH1-OSC_OUT: R25.2 U5.13 | length 3.4
  Top Layer w0.254: R25.2 18.2,43.25 19.55,44.6 U5.13
SWCLK: J2.4 U5.76 | length 4.9
  Top Layer w0.254: J2.4 34.522,54.078 U5.76
SWDIO: J2.3 U5.72 | length 8.2
  Top Layer w0.254: J2.3 35,56.14 35,49.581 35.468,49.113 36.23,49.113 U5.72
SWO: J2.5 U5.89 | length 4.7
  Top Layer w0.254: U5.89 28.022,54.562 J2.5
SYNTH_POST_VOL: pad.2@5,51.2 pad.7 | length 25.4
  Top Layer w1.016: pad.2@5,51.2 12.417,58.617 12.417,63.117 pad.7
VCAP: C20.1 C21.1 U5.48 U5.73 | length 18.6
  Top Layer w0.254: v1(32.7,38.6) 33.509,37.791 33.509,36.891 U5.48 33.522,35.022 C20.1 ; U5.73 37.355,49.6 37.827,49.128 37.827,48.823 C21.1 38.025,48.575 38.025,47.025 v1(38,47)
  Bottom Layer w0.254: v1(32.7,38.6) 32.7,41.7 v1(38,47)
VDDA: C18.2 C19.1 FB1.2 R24.1 U5.21 | length 11.9
  Top Layer w0.254: U5.21 20.813,40.587 21.575,40.587 22.4,39.762 v1(22.4,39.7)
  Bottom Layer w1.016: v1(22.4,39.7) 22.833,39.267 22.833,38.133 22.866,38.1 C18.2 ; C18.2@25.925,38.1 26.225,38.4 FB1.2 ; FB1.2@28.7,38.584 28.908,38.792 30.742,38.792 R24.1
VREF+: C22.2 C23.1 R24.2 U5.20 | length 10.2
  Top Layer w0.254: U5.20 22.079,41.1 22.279,41.3 v1(22.4,41.3)
  Bottom Layer w0.508: v1(22.4,41.3) 22.452,41.3 22.581,41.171 23.679,41.171 C23.1
  Bottom Layer w1.016: C23.1@24.067,40.917 28.483,40.917 C22.2 28.692,40.892 30.742,40.892 R24.2
pads on no net: U2.1 U2.5 U2.8 U3.1 U3.5 U3.8 U4.1 U4.5 U4.8 U5.1 U5.2 U5.3 U5.4 U5.5 U5.7 U5.8 U5.9 U5.15 U5.16 U5.17 U5.18 U5.22 U5.23 U5.24 U5.25 U5.29 U5.31 U5.32 U5.33 U5.34 U5.36 U5.37 U5.38 U5.39 U5.40 U5.41 U5.42 U5.43 U5.44 U5.45 U5.46 U5.47 U5.51 U5.52 U5.53 U5.54 U5.55 U5.56 U5.57 U5.58 U5.59 U5.60 U5.61 U5.62 U5.63 U5.64 U5.65 U5.66 U5.67 U5.68 U5.69 U5.70 U5.71 U5.77 U5.78 U5.79 U5.80 U5.81 U5.82 U5.83 U5.84 U5.85 U5.86 U5.87 U5.88 U5.90 U5.91 U5.92 U5.93 U5.95 U5.96 U5.97 U5.98

## Polygon pours and split planes (outlines as drawn)
+1V65 on Top Layer "+1V65_L01_P001" (solid, pour order 1): 55.1,48.7 50.1,48.7 50.1,44.8 54.1,44.8 54.1,46.3 55.1,47.2
GND on Top Layer "GND_L01_P000" (solid, pour order 0): 19.6,46.8 18.5,47.9 12.2,47.9 10.5,46.2 10.5,37.9 11.5,36.9 18,36.9 19.6,38.5
GND on GND (split plane): 57.49,0.51 0.51,0.51 0.51,85.79 57.49,85.79
+3V3 on Power (split plane): 57.49,0.51 0.51,0.51 0.51,85.79 57.49,85.79

## Silkscreen, mask and mechanical layers (free items; w line width, h text height)
Top Overlay:
  drawing of 127 lines, arcs and shapes, not listed
  text "J1" at 42.354,83.646 h1 r270
  text "+" at 30.746,79.813 h1 r180
  text "-" at 39.546,79.646 h1 r180
  text "SW1" at 18.554,72.908 h1
  text "Guitar Synthesizer" at 0.8,72.546 h3.8
  text "Rev. 3" at 6.9,69.928 h3.8
  text "J5" at 29.354,69.254 h1
  text "Leo Chinchilla" at 4.8,66.922 h3
  text "T" at 32.154,65.954 h1
  text "TN" at 36.254,65.954 h1
  text "SWD Header (J2)" at 41.754,65.954 h1
  text "GND" at 42.254,62.254 h1
  text "+3V3" at 46.954,62.254 h1
  text "NRST" at 52.254,62.254 h1
  text "J6" at 11.154,59.454 h1
  text "R23" at 2.754,57.854 h1
  text "SWO" at 41.754,57.654 h1
  text "SWCLK" at 45.754,57.654 h1
  text "SWDIO" at 51.554,57.654 h1
  text "T" at 15.808,56.108 h1
  text "-" at 5.446,55.454 h1 r90
  text "TN" at 15.408,51.208 h1
  text "+" at 5.413,46.554 h1 r90
Bottom Overlay:
  drawing of 28 lines, arcs and shapes, not listed
Mechanical 1:
  the board outline again, w0.254
Top Component Center:
  lines w0.1: 12.9,49.2 13.9,49.2

## Text inside footprints (layer, text, board x,y; h text height)
U5: Top 3D Body "*" at 21.486,50.215 h1.27; Top Overlay "*" at 20.022,52.1 h1.27